# Altium PCB VOU_SOM_CV_V0.0.1.PcbDoc (part 4 of 4) (continued)
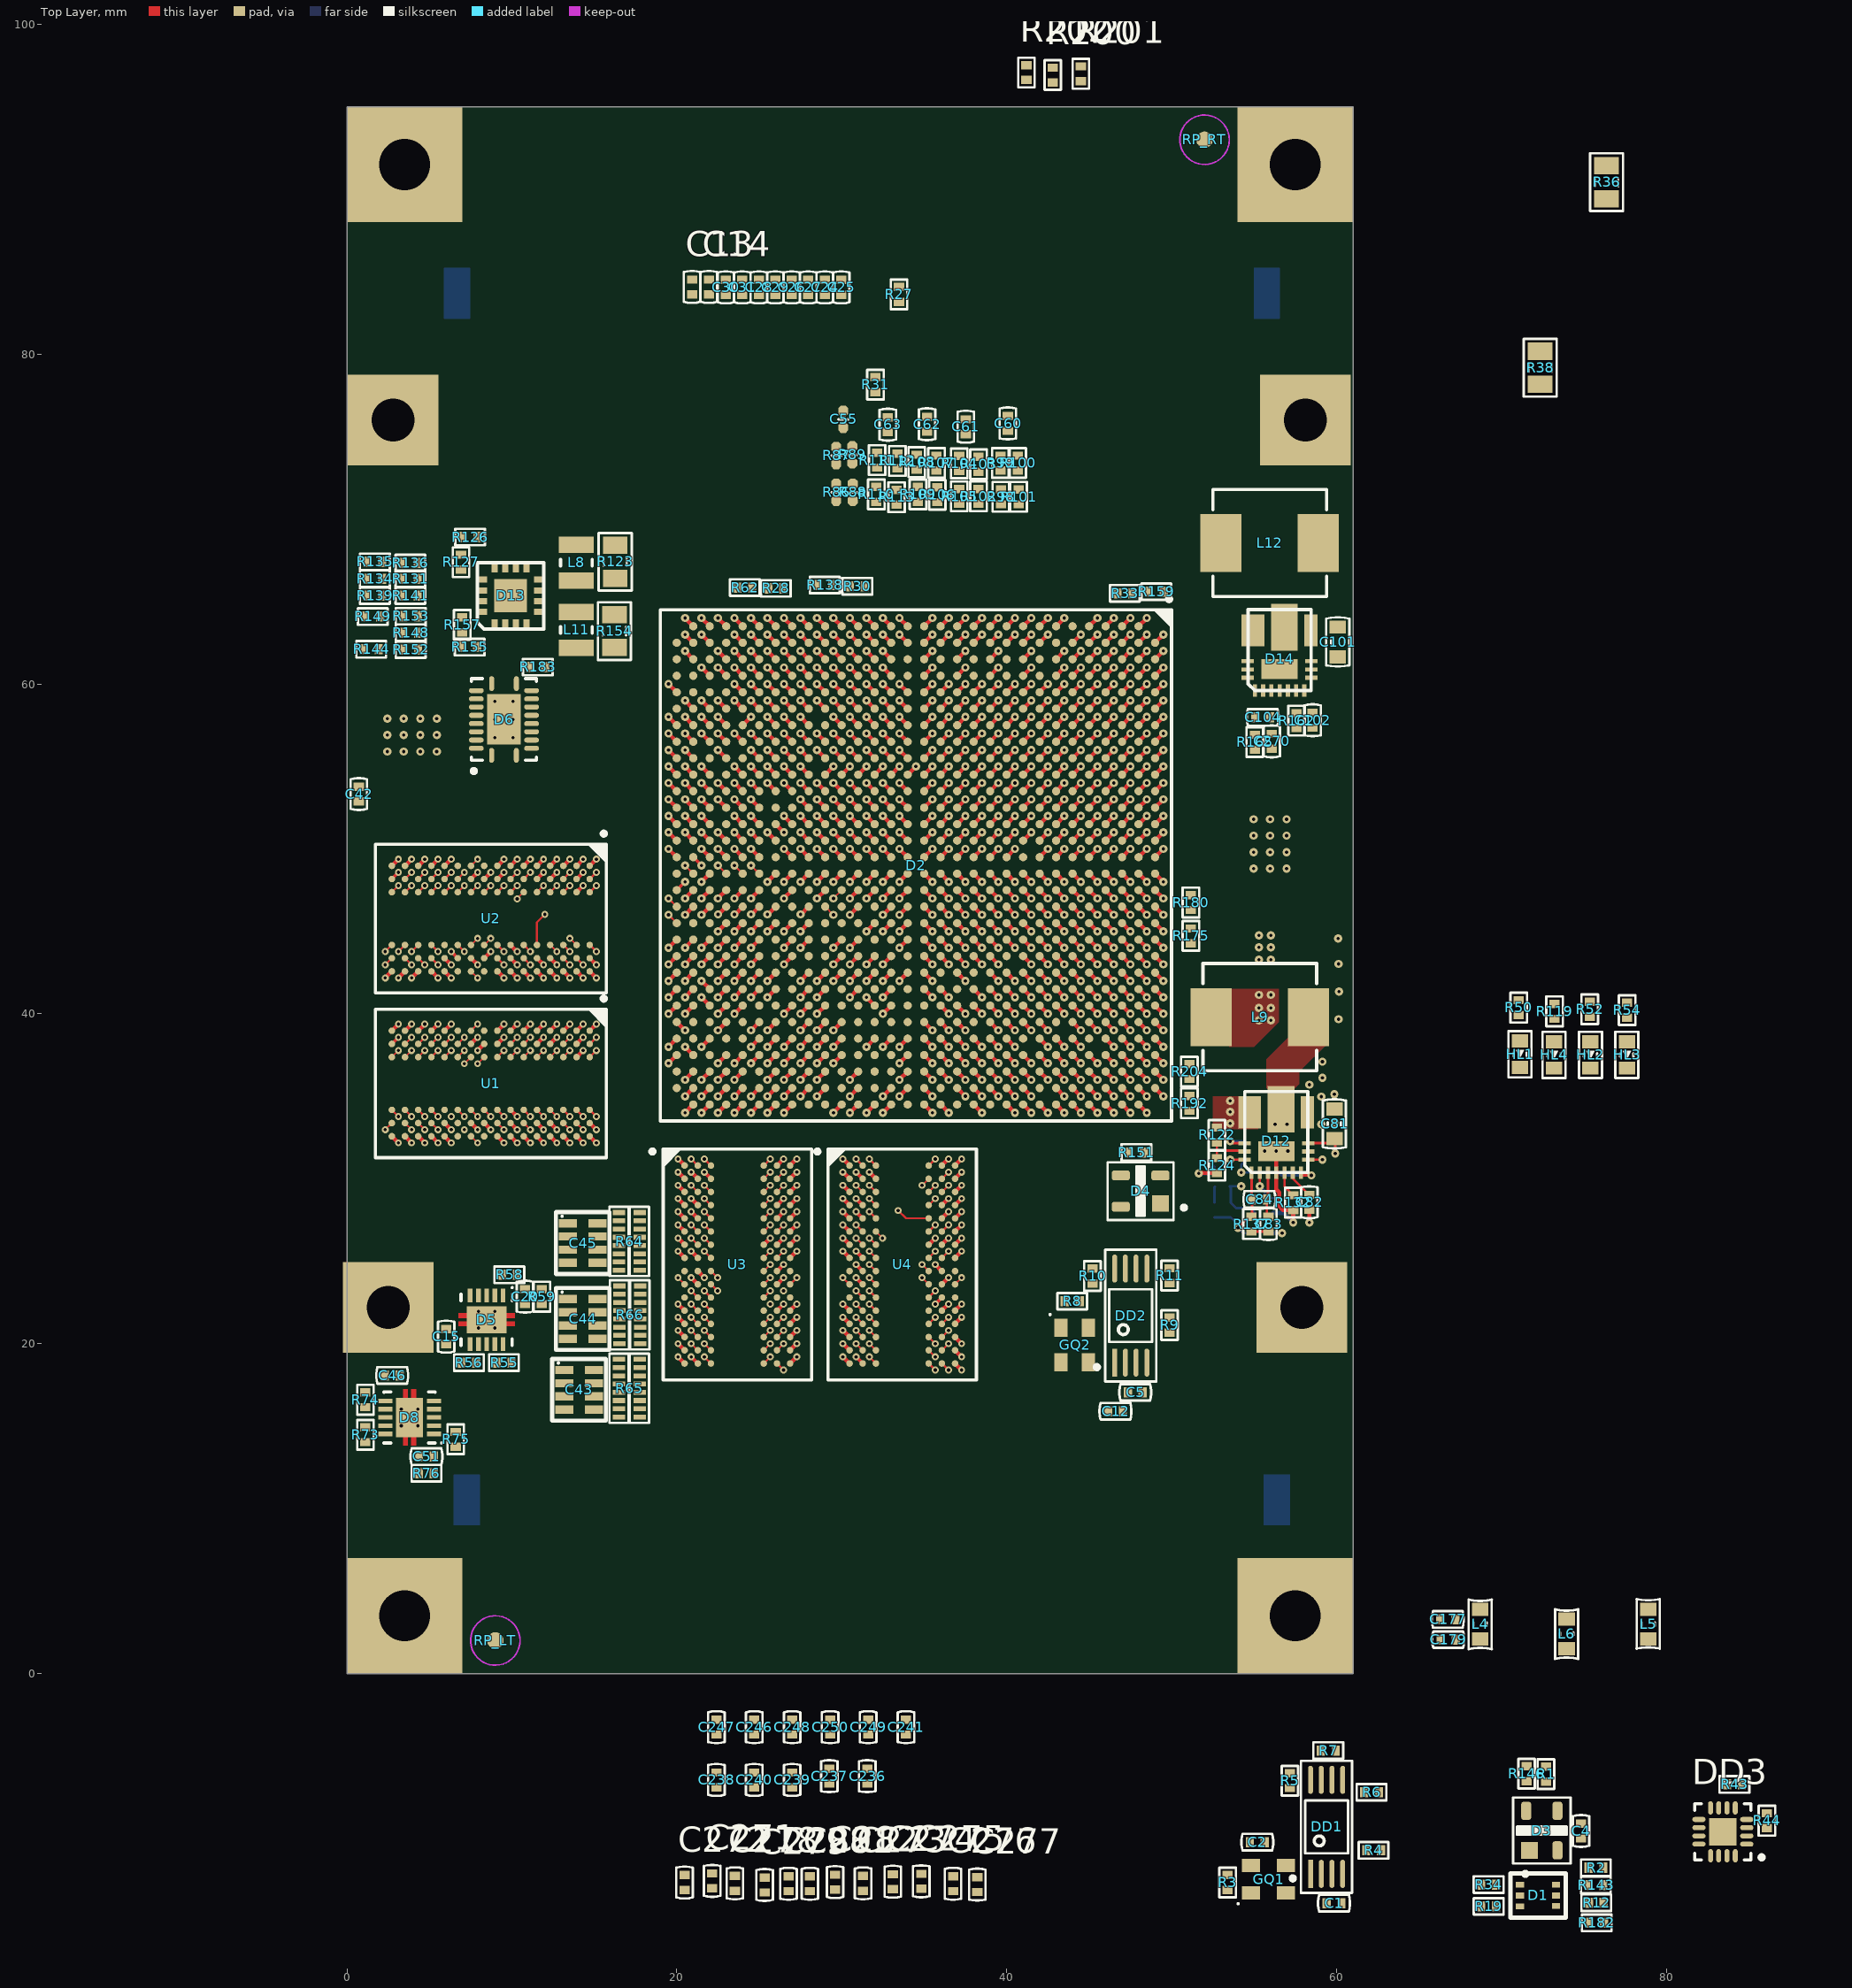
[diagram p0: Top Layer view]
## Nets (pads, with @x,y where several pads share a name; then routed paths per layer and width w, separated by ;. In a path a pad name is that pad's centre, name@x,y a point inside that pad or via, vN(x,y) a via of type N, cw(c..) or ccw(c..) an arc to the next point about the centre after c; other vN are vias at no path point) (continued)
NetC82_2: C82.2 D12.6 | length 1.8
  Top Layer w0.15: D12.6@57.35,30.375 57.35,30.025 C82.2@58.35,29.025
NetC83_1: C83.1 C84.2 D12.3 | length 2.4
  Top Layer w0.15: C84.2@55.85,28.825 C84.2@55.775,28.75 55.775,27.85 C83.1@55.875,27.75 ; 55.85,29.075 D12.3@55.85,30.375
NetC83_2: C83.2 R137.2 | length 1
  Top Layer w0.15: R137.2@54.85,26.8 C83.2@55.875,26.8
NetC84_1: C84.1 D12.1 R130.1 R133.2 R137.1 R140.2 | length 6.8
  Top Layer w0.15: v1(54.025,27.025) 54.7,27.7 R137.1@54.85,27.7 54.875,27.725 C84.1@54.875,28.75 54.85,28.775 D12.1@54.85,30.375
  Bottom Layer w0.15: R133.2@52.6,27.65 R130.1@53.6,27.65 54.025,27.225 v1(54.025,27.025) 54.35,26.7 R140.2@55.05,26.7
NetC91_1: C91.1 C92.1 L11.2 R154.1 R155.2
NetC93_1: C93.1 D14.14
NetC93_2: C93.2 D14.12 L12.1 R145.1
NetC97_1: C97.1 C98.1 C269.2 L12.2 R156.1 R158.1 R160.2 R161.2
NetC101_2: C101.2 D14.10 D14.16
NetC102_2: C102.2 D14.6
NetC104_1: C104.1 D14.1 R161.1 R164.2 R165.1 R166.2
NetC104_2: C104.2 C270.1 D14.3
NetC267_1: C267.1 D12.14 | length 2
  Top Layer w0.15: v1(53.55,32.275) 53.67,32.155 D12.14@54.425,32.155
  Bottom Layer w0.15: v1(53.55,32.275) 54.25,32.275 C267.1@54.5,32.025
NetC267_2: C267.2 D12.12 L9.1 R129.1 | length 2.2
  Bottom Layer w0.15: C267.2@54.5,31.125 54.225,30.85 v1(54.225,30.375) R129.1@55.575,30.375
  other v1: 56.275,33.3 57,33.3
NetC269_1: C269.1 R164.1
NetC270_2: C270.2 R165.2
NetD1_3: D1.3 D3.2 R2.2 R12.1 R143.1
NetD1_4: D1.4 R34.1
NetD1_6: D1.6 R19.1
NetD2_A28: D2.A28 R204.2 | length 0.7
  Top Layer w0.25: D2.A28@49,36.5 v1(49.5,36)
NetD2_AA1: D2.AA1 D2.AA2 R138.2 | length 1.4
  Top Layer w0.25: v1(28.5,63) D2.AA2@29,62.5 ; v1(28.5,64) D2.AA1@29,63.5
NetD2_AC1: D2.AC1 D2.AC2 R28.2 | length 1.4
  Top Layer w0.25: v1(26.5,63) D2.AC2@27,62.5 ; v1(26.5,64) D2.AC1@27,63.5
NetD2_AE1: D2.AE1 D2.AE2 R62.2 | length 1.4
  Top Layer w0.25: v1(24.5,63) D2.AE2@25,62.5 ; v1(24.5,64) D2.AE1@25,63.5
NetD2_AG17: D2.AG17 R57.1 | length 0.7
  Top Layer w0.25: v1(22.5,47) D2.AG17@23,47.5
NetD2_D27: D2.D27 R69.2 | length 0.7
  Top Layer w0.25: D2.D27@46,37.5 v1(46.5,37)
NetD2_F3: D2.F3 R178.1 | length 0.7
  Top Layer w0.25: D2.F3@44,61.5 v1(44.5,62)
NetD2_F4: D2.F4 R120.1 | length 0.7
  Top Layer w0.25: D2.F4@44,60.5 v1(44.5,61)
NetD2_F23: D2.F23 R12.2 | length 0.7
  Top Layer w0.25: D2.F23@44,41.5 v1(44.5,41)
NetD2_F24: D2.F24 R77.2 | length 0.7
  Top Layer w0.25: D2.F24@44,40.5 v1(44.5,40)
NetD2_G1: D2.G1 R159.1 | length 0.7
  Top Layer w0.25: D2.G1@43,63.5 v1(43.5,64)
NetD2_J1: D2.J1 D2.J2 R33.2 | length 1.4
  Top Layer w0.25: D2.J2@41,62.5 v1(41.5,63) ; D2.J1@41,63.5 v1(41.5,64)
NetD2_J5: D2.J5 R181.1 | length 0.7
  Top Layer w0.25: D2.J5@41,59.5 v1(41.5,60)
NetD2_P8: D2.P8 D2.P9 R32.2 | length 1.4
  Top Layer w0.25: D2.P9@36,55.5 v1(36.5,56) ; D2.P8@36,56.5 v1(36.5,57)
NetD2_W1: D2.W1 D2.W2 R30.2 | length 1.4
  Top Layer w0.25: v1(30.5,63) D2.W2@31,62.5 ; v1(30.5,64) D2.W1@31,63.5
NetD3_4: D3.4 R146.2
NetD4_2: D4.2 R18.2 R151.1
NetD4_4: D4.4 R147.2
NetD5_7: D5.7 R56.2
NetD5_9: D5.9 R55.2
NetD6_10: D6.10 R183.2
NetD7_6: D7.6 R191.1
NetD8_7: D8.7 R74.2
NetD8_9: D8.9 R73.2
NetD9_6: D9.6 R194.1
NetD12_2: D12.2 R128.1 R142.2 | length 2.6
  Top Layer w0.15: v1@55.35,29.625 D12.2@55.35,30.375
  Bottom Layer w0.15: R128.1@55.1,28.825 55.65,28.825 ; v1(55.35,29.55) 55.65,29.25 55.65,28.825 ; R142.2@56.15,28.825 55.65,28.825
NetD12_5: D12.5 R132.1 | length 1.6
  Top Layer w0.15: D12.5@56.85,30.375 56.85,29.525 R132.1@57.375,29
NetD12_7: D12.7 R129.2 | length 2.9
  Top Layer w0.15: D12.7@57.85,30.375 57.85,30.2 v1(58.475,30.2)
  Bottom Layer w0.15: R129.2@56.475,30.375 56.65,30.2 v1(58.475,30.2)
NetD12_15: D12.15 R122.2 R124.2 | length 2.6
  Top Layer w0.15: R124.2@52.75,31.25 52.75,31.7 ; R122.2@52.75,32.2 52.75,31.7 ; D12.15@54.425,31.655 54.38,31.7 52.75,31.7
NetD13_5: D13.5 D13.6 L11.1
NetD13_7: D13.7 L8.1
NetD13_12: D13.12 R126.1 R127.2
NetD13_16: D13.16 R155.1 R157.2
NetD14_2: D14.2 R160.1 R167.2
NetD14_5: D14.5 R162.1
NetD14_7: D14.7 R145.2
NetDD1_1: DD1.1 GQ1.3
NetDD1_3: DD1.3 R4.1
NetDD1_5: DD1.5 R6.1
NetDD1_7: DD1.7 R7.1
NetDD1_8: DD1.8 R5.1
NetDD2_1: DD2.1 GQ2.3
NetDD2_3: DD2.3 R9.1
NetDD2_5: DD2.5 R11.1
NetDD2_8: DD2.8 R10.1
NetDD3_2: DD3.2 R45.2
NetDD3_3: DD3.3 R44.2
NetDD3_6: DD3.6 R43.2
NetGQ1_1: GQ1.1 R3.2
NetGQ2_1: GQ2.1 R8.2
NetHL1_1: HL1.1 R50.1
NetHL2_1: HL2.1 R52.1
NetHL3_1: HL3.1 R54.1
NetHL4_1: HL4.1 R119.1
NetR7_2: R7.2 X1.103
NetR11_2: R11.2 X1.99
NetR13_1: R13.1 R147.1 X1.50
NetR27_2: R27.2 X2.81
NetR31_1: R31.1 X2.82
NetR47_1: R47.1 U1.L8
  other v2: 7.125,32.975
NetR48_1: R48.1 U2.L8 | length 0.6
  Top Layer w0.2: v2(6.325,43.775) U2.L8@6.725,43.375
NetR68_1: R68.1 U3.L8
  other v2: 26.475,23.2
NetR70_1: R70.1 U4.L8 | length 0.6
  Top Layer w0.2: v2(35.675,22.4) U4.L8@36.075,22.8
NetR131_1: R131.1 R134.2 R135.1 R136.1 R139.2 R141.1
NetR144_1: R144.1 R148.1 R149.2 R152.2 R153.2
NetR200_1: R200.1 X2.2
NetR201_2: R201.2 X2.85
NetR202_1: R202.1 X2.168
OSC_50_B3B: D2.AF14 R4.2 | length 0.7
  Top Layer w0.25: v1(23.5,51) D2.AF14@24,50.5
OSC_50_B4B: D2.AA16 R5.2 | length 0.7
  Top Layer w0.25: v1(28.5,48) D2.AA16@29,48.5
OSC_50_B5A5B: D2.Y26 R6.2 | length 0.7
  Top Layer w0.25: v1(29.5,38) D2.Y26@30,38.5
PR_DONE: D2.AF5 R37.2 | length 0.7
  Top Layer w0.25: v1(23.5,60) D2.AF5@24,59.5
PR_ERR: D2.AF4 R35.2 | length 0.7
  Top Layer w0.25: v1(23.5,61) D2.AF4@24,60.5
PR_RDY: D2.AG8 R39.2 | length 0.7
  Top Layer w0.25: v1(22.5,57) D2.AG8@23,56.5
RGMI_MDC: D2.B21 R15.16 | length 0.7
  Top Layer w0.25: D2.B21@48,43.5 v1(48.5,43)
RGMI_MDC_R: R15.1 X1.137
RGMI_MDIO: D2.E21 R15.15 | length 0.7
  Top Layer w0.25: D2.E21@45,43.5 v1(45.5,43)
RGMI_MDIO_R: R15.2 X1.135
RGMI_RX_CLK: D2.G20 R17.9 | length 0.7
  Top Layer w0.25: D2.G20@43,44.5 v1(43.5,44)
RGMI_RX_CLK_R: R17.8 X1.139
RGMI_RX_CTL: D2.K17 R17.10 | length 0.7
  Top Layer w0.25: D2.K17@40,47.5 v1(40.5,47)
RGMI_RX_CTL_R: R17.7 X1.141
RGMI_RXD0: D2.A21 R17.11 | length 0.7
  Top Layer w0.25: D2.A21@49,43.5 v1(49.5,43)
RGMI_RXD0_R: R17.6 X1.143
RGMI_RXD1: D2.B20 R17.12 | length 0.7
  Top Layer w0.25: D2.B20@48,44.5 v1(48.5,44)
RGMI_RXD1_R: R17.5 X1.145
RGMI_RXD2: D2.B18 R17.13 | length 0.7
  Top Layer w0.25: D2.B18@48,46.5 v1(48.5,46)
RGMI_RXD2_R: R17.4 X1.147
RGMI_RXD3: D2.D21 R17.14 | length 0.7
  Top Layer w0.25: D2.D21@46,43.5 v1(46.5,43)
RGMI_RXD3_R: R17.3 X1.149
RGMI_TX_CLK: D2.H19 R15.9 | length 0.7
  Top Layer w0.25: D2.H19@42,45.5 v1(42.5,45)
RGMI_TX_CLK_R: R15.8 X1.123
RGMI_TX_CTL: D2.A20 R15.10 | length 0.7
  Top Layer w0.25: D2.A20@49,44.5 v1(49.5,44)
RGMI_TX_CTL_R: R15.7 X1.125
RGMI_TXD0: D2.F20 R15.11 | length 0.7
  Top Layer w0.25: D2.F20@44,44.5 v1(44.5,44)
RGMI_TXD0_R: R15.6 X1.127
RGMI_TXD1: D2.J19 R15.12 | length 0.7
  Top Layer w0.25: D2.J19@41,45.5 v1(41.5,45)
RGMI_TXD1_R: R15.5 X1.129
RGMI_TXD2: D2.F21 R15.13 | length 0.7
  Top Layer w0.25: D2.F21@44,43.5 v1(44.5,43)
RGMI_TXD2_R: R15.4 X1.131
RGMI_TXD3: D2.F19 R15.14 | length 0.7
  Top Layer w0.25: D2.F19@44,45.5 v1(44.5,45)
RGMI_TXD3_R: R15.3 X1.133
TCK: D2.AC5 X1.100 | length 0.7
  Top Layer w0.25: v1(26.5,60) D2.AC5@27,59.5
TDI: D2.U8 R177.2 X1.104 | length 0.7
  Top Layer w0.25: v1(32.5,57) D2.U8@33,56.5
TDO: D2.AB9 X1.102 | length 0.7
  Top Layer w0.25: v1(27.5,56) D2.AB9@28,55.5
TMS: D2.V9 R176.2 X1.98 | length 0.7
  Top Layer w0.25: v1(31.5,56) D2.V9@32,55.5
VCC1P1: C94.1 C99.1 C100.1 C113.2 C114.2 C115.2 C116.2 C117.2 C118.2 C119.2 C120.2 C127.2 C128.2 C129.2 C130.2 C131.2 C132.2 C133.2 C134.2 C146.2 C147.2 C148.2 C149.2 C150.2 C151.2 C152.2 C153.2 C168.1 C169.1 C170.1 C171.1 C172.1 C173.1 C174.1 C180.1 C181.1 C182.1 C183.1 C184.1 C185.1 C186.1 C187.1 C189.1 C190.1 C191.1 C192.1 C193.1 C199.2 C200.2 C201.2 C202.1 C203.1 C204.1 C205.1 C210.2 C211.2 C212.2 C213.2 C214.2 C215.2 C216.2 D2.L16 D2.L18 D2.L20 D2.M9 D2.M11 D2.M13 D2.M15 D2.N10 D2.N12 D2.N14 D2.N20 D2.P11 D2.P13 D2.P15 D2.P17 D2.P19 D2.R10 D2.R12 D2.R14 D2.R16 D2.T11 D2.T13 D2.T17 D2.T19 D2.U10 D2.U12 D2.U14 D2.U16 D2.U18 D2.U21 D2.V11 D2.V13 D2.V15 D2.W10 D2.W12 D2.W14 D2.Y9 D2.Y11 D2.Y13 L2.2 R156.2 R158.2 | length 27.6
  Top Layer w0.25: v1(29.5,52) D2.Y13@30,51.5 ; v1(29.5,54) D2.Y11@30,53.5 ; v1(29.5,56) D2.Y9@30,55.5 ; v1(30.5,51) D2.W14@31,50.5 ; v1(30.5,53) D2.W12@31,52.5 ; D2.W10@31,54.5 v1(31.5,55) ; v1(31.5,50) D2.V15@32,49.5 ; v1(31.5,52) D2.V13@32,51.5 ; v1(31.5,54) D2.V11@32,53.5 ; v1(32.5,43) D2.U21@33,43.5 ; v1(32.5,46) D2.U18@33,46.5 ; v1(32.5,48) D2.U16@33,48.5 ; v1(32.5,51) D2.U14@33,50.5 ; v1(32.5,53) D2.U12@33,52.5 ; D2.U10@33,54.5 v1(33.5,55) ; v1(33.5,45) D2.T19@34,45.5 ; v1(33.5,47) D2.T17@34,47.5 ; v1(33.5,52) D2.T13@34,51.5 ; v1(33.5,54) D2.T11@34,53.5 ; D2.R16@35,48.5 v1(35.5,48) ; D2.R14@35,50.5 v1(35.5,51) ; D2.R12@35,52.5 v1(35.5,53) ; D2.R10@35,54.5 v1(35.5,55) ; D2.P19@36,45.5 v1(36.5,45) ; D2.P17@36,47.5 v1(36.5,47) ; D2.P15@36,49.5 v1(36.5,50) ; D2.P13@36,51.5 v1(36.5,52) ; D2.P11@36,53.5 v1(36.5,54) ; D2.N20@37,44.5 v1(37.5,44) ; D2.N14@37,50.5 v1(37.5,51) ; D2.N12@37,52.5 v1(37.5,53) ; D2.N10@37,54.5 v1(37.5,55) ; D2.M15@38,49.5 v1(38.5,50) ; D2.M13@38,51.5 v1(38.5,52) ; D2.M11@38,53.5 v1(38.5,54) ; D2.M9@38,55.5 v1(38.5,56) ; D2.L20@39,44.5 v1(39.5,44) ; D2.L18@39,46.5 v1(39.5,46) ; D2.L16@39,48.5 v1(39.5,48)
VCC1P5_DDR3: C19.1 C50.1 C107.2 C108.2 C109.2 C110.2 C111.2 C175.1 C194.2 C195.2 C196.2 C197.2 C198.2 C220.2 C221.2 C222.2 C223.2 C224.2 C225.2 C227.1 C228.1 C229.2 C230.2 C231.2 C236.2 C237.2 C238.2 C239.2 C240.2 C241.2 C246.1 C247.1 C248.2 C249.2 C250.2 C271.2 C272.2 C273.1 C274.1 C275.1 C276.1 C277.1 C278.1 C279.1 C280.1 C281.1 C282.1 D2.AA17 D2.AB14 D2.AC21 D2.AD13 D2.AD18 D2.AE15 D2.AE25 D2.AF22 D2.AG19 D2.AH16 D2.AH26 D2.AJ8 D2.AJ13 D2.AJ23 D2.AK10 D2.AK20 D2.D28 D2.G29 D2.H26 D2.K24 D2.K30 D2.L27 D2.M24 D2.N21 D2.P23 D2.P28 D2.R25 D2.T22 D2.U19 D2.V26 D5.2 D8.2 R49.1 R58.1 R71.1 R75.1 R154.2 U1.A1 U1.A8 U1.B2 U1.C1 U1.C9 U1.D2 U1.D9 U1.E9 U1.F1 U1.G7 U1.H2 U1.H9 U1.K2 U1.K8 U1.N1 U1.N9 U1.R1 U1.R9 U2.A1 U2.A8 U2.B2 U2.C1 U2.C9 U2.D2 U2.D9 U2.E9 U2.F1 U2.G7 U2.H2 U2.H9 U2.K2 U2.K8 U2.N1 U2.N9 U2.R1 U2.R9 U3.A1 U3.A8 U3.B2 U3.C1 U3.C9 U3.D2 U3.D9 U3.E9 U3.F1 U3.G7 U3.H2 U3.H9 U3.K2 U3.K8 U3.N1 U3.N9 U3.R1 U3.R9 U4.A1 U4.A8 U4.B2 U4.C1 U4.C9 U4.D2 U4.D9 U4.E9 U4.F1 U4.G7 U4.H2 U4.H9 U4.K2 U4.K8 U4.N1 U4.N9 U4.R1 U4.R9 | length 61.9
  Top Layer w0.25: v2(3.125,42.175) U2.R9@3.525,42.575 ; U1.R9@3.525,32.575 v2(3.925,32.175) ; U1.R1@3.525,38.975 v2(3.925,39.375) ; U2.R1@3.525,48.975 v2(3.925,49.375) ; U1.N9@5.125,32.575 v2(5.525,32.175) ; U1.N1@5.125,38.975 v2(5.525,39.375) ; U2.N9@5.125,42.575 v2(5.525,42.175) ; U2.N1@5.125,48.975 v2(5.525,49.375) ; U1.K8@7.525,33.375 v2(7.925,32.975) ; U1.K2@7.525,38.175 v2(7.925,38.575) ; U2.K8@7.525,43.375 v2(7.925,42.975) ; U2.K2@7.525,48.175 v2(7.925,48.575) ; U1.H9@9.125,32.575 v2(9.525,32.175) ; U1.H2@9.125,38.175 v2(9.525,38.575) ; U2.H9@9.125,42.575 v2(9.525,42.175) ; U2.H2@9.125,48.175 v2(9.525,48.575) ; U1.G7@9.925,34.175 v2(10.325,33.775) ; U2.G7@9.925,44.175 v2(10.325,43.775) ; U1.F1@10.725,38.975 v2(11.125,39.375) ; U2.F1@10.725,48.975 v2(11.125,49.375) ; U1.E9@11.525,32.575 v2(11.925,32.175) ; U2.E9@11.525,42.575 v2(11.925,42.175) ; U1.D9@12.325,32.575 v2(12.725,32.175) ; U1.D2@12.325,38.175 v2(12.725,38.575) ; U2.D9@12.325,42.575 v2(12.725,42.175) ; U2.D2@12.325,48.175 v2(12.725,48.575) ; U1.C9@13.125,32.575 v2(13.525,32.175) ; U1.C1@13.125,38.975 v2(13.525,39.375) ; U2.C9@13.125,42.575 v2(13.525,42.175) ; U2.C1@13.125,48.975 v2(13.525,49.375) ; U1.B2@13.925,38.175 v2(14.325,38.575) ; U2.B2@13.925,48.175 v2(14.325,48.575) ; U1.A8@14.725,33.375 v2(15.125,32.975) ; U1.A1@14.725,38.975 v2(15.125,39.375) ; U2.A8@14.725,43.375 v2(15.125,42.975) ; U2.A1@14.725,48.975 v2(15.125,49.375) ; v1(19.5,44) D2.AK20@20,44.5 ; v1(19.5,55) D2.AK10@20,54.5 ; v2(20.075,20) U3.R1@20.475,19.6 ; v2(20.075,21.6) U3.N1@20.475,21.2 ; v2(20.075,27.2) U3.F1@20.475,26.8 ; v2(20.075,29.6) U3.C1@20.475,29.2 ; v2(20.075,31.2) U3.A1@20.475,30.8 ; v1(20.5,41) D2.AJ23@21,41.5 ; v1(20.5,52) D2.AJ13@21,51.5 ; v1(20.5,57) D2.AJ8@21,56.5 ; v2(20.875,24) U3.K2@21.275,23.6 ; v2(20.875,25.6) U3.H2@21.275,25.2 ; v2(20.875,28.8) U3.D2@21.275,28.4 ; v2(20.875,30.4) U3.B2@21.275,30 ; v1(21.5,38) D2.AH26@22,38.5 ; v1(21.5,48) D2.AH16@22,48.5 ; v1(22.5,45) D2.AG19@23,45.5 ; v1(23.5,42) D2.AF22@24,42.5 ; v1(24.5,39) D2.AE25@25,39.5 ; v1(24.5,50) D2.AE15@25,49.5 ; U3.G7@25.275,26 v2(25.675,26.4) ; v1(25.501,46.027) 25.527,46.027 D2.AD18@26,46.5 ; D2.AD13@26,51.5 v1(26.5,51) ; U3.K8@26.075,23.6 v2(26.475,24) ; U3.A8@26.075,30.8 v2(26.475,31.2) ; v1(26.5,43) D2.AC21@27,43.5 ; U3.R9@26.875,19.6 v2(27.275,20) ; U3.N9@26.875,21.2 v2(27.275,21.6) ; U3.H9@26.875,25.2 v2(27.275,25.6) ; U3.E9@26.875,27.6 v2(27.275,28) ; U3.D9@26.875,28.4 v2(27.275,28.8) ; U3.C9@26.875,29.2 v2(27.275,29.6) ; v1(27.5,51) D2.AB14@28,50.5 ; v1(28.5,47) D2.AA17@29,47.5 ; v2(30.075,20) U4.R1@30.475,19.6 ; v2(30.075,21.6) U4.N1@30.475,21.2 ; v2(30.075,27.2) U4.F1@30.475,26.8 ; v2(30.075,29.6) U4.C1@30.475,29.2 ; v2(30.075,31.2) U4.A1@30.475,30.8 ; v2(30.875,24) U4.K2@31.275,23.6 ; v2(30.875,25.6) U4.H2@31.275,25.2 ; v2(30.875,28.8) U4.D2@31.275,28.4 ; v2(30.875,30.4) U4.B2@31.275,30 ; v1(31.5,38) D2.V26@32,38.5 ; v1(32.5,45) D2.U19@33,45.5 ; v1(33.5,42) D2.T22@34,42.5 ; D2.R25@35,39.5 v1(35.5,39) ; U4.G7@35.275,26 v2(35.675,26.4) ; D2.P28@36,36.5 v1(36.5,36) ; D2.P23@36,41.5 v1(36.5,41) ; U4.K8@36.075,23.6 v2(36.475,24) ; U4.A8@36.075,30.8 v2(36.475,31.2) ; U4.R9@36.875,19.6 v2(37.275,19.2) ; U4.N9@36.875,21.2 v2(37.275,21.6) ; U4.H9@36.875,25.2 v2(37.275,25.6) ; U4.E9@36.875,27.6 v2(37.275,28) ; U4.D9@36.875,28.4 v2(37.275,28.8) ; U4.C9@36.875,29.2 v2(37.275,29.6) ; D2.N21@37,43.5 v1(37.5,43) ; D2.M24@38,40.5 v1(38.5,40) ; D2.L27@39,37.5 v1(39.5,37) ; D2.K30@40,34.5 v1(40.5,34) ; D2.K24@40,40.5 v1(40.5,40) ; D2.H26@42,38.5 v1(42.5,38) ; D2.G29@43,35.5 v1(43.5,35) ; D2.D28@46,36.5 v1(46.5,36)
VCC2P5: C1.1 C2.2 C9.2 C10.2 C34.2 C87.1 C112.1 C121.2 C122.2 C135.2 C136.2 C137.1 C142.2 C143.2 C144.2 C145.2 C154.1 C164.2 C165.2 C166.2 C206.2 C207.2 C259.2 C260.2 C261.2 C262.2 C263.2 C264.2 C265.2 C266.2 D2.A7 D2.AA10 D2.AA27 D2.AB18 D2.AB20 D2.AB24 D2.AC10 D2.AC11 D2.AC13 D2.AC15 D2.AC17 D2.AC19 D2.AD8 D2.AD16 D2.AD28 D2.AE21 D2.AE30 D2.AF7 D2.AG4 D2.AG29 D2.B4 D2.C11 D2.D8 D2.E5 D2.F12 D2.G9 D2.G14 D2.H6 D2.J13 D2.K11 D2.K13 D2.L10 D2.L12 D2.L14 D2.M21 D2.N22 D2.P21 D2.R20 D2.R23 D2.U23 D2.V22 D2.V24 D2.W23 D6.2 DD1.2 DD1.6 DD3.5 GQ1.4 L1.2 L3.2 L4.2 L5.1 L13.2 R3.1 R35.1 R37.1 R38.1 R39.1 R45.1 R50.2 R51.1 R52.2 R54.2 R118.1 R119.2 R120.2 R123.2 R176.1 R177.1 R178.2 R179.2 R181.2 R183.1 R184.2 R185.2 R186.2 R187.2 | length 30.4
  Top Layer w0.25: v1(22.5,35) D2.AG29@23,35.5 ; v1(22.5,61) D2.AG4@23,60.5 ; D2.AF7@24,57.5 v1(24.5,58) ; v1(24.5,34) D2.AE30@25,34.5 ; v1(24.5,43) D2.AE21@25,43.5 ; v1(25.5,36) D2.AD28@26,36.5 ; v1(25.5,48) D2.AD16@26,48.5 ; v1(25.5,57) D2.AD8@26,56.5 ; v1(26.5,45) D2.AC19@27,45.5 ; v1(26.5,47) D2.AC17@27,47.5 ; v1(26.5,50) D2.AC15@27,49.5 ; v1(26.5,52) D2.AC13@27,51.5 ; v1(26.5,54) D2.AC11@27,53.5 ; v1(26.5,55) D2.AC10@27,54.5 ; v1(27.5,40) D2.AB24@28,40.5 ; v1(27.5,44) D2.AB20@28,44.5 ; v1(27.501,46.027) 27.527,46.027 D2.AB18@28,46.5 ; v1(28.5,37) D2.AA27@29,37.5 ; D2.AA10@29,54.5 v1(29.5,55) ; v1(30.5,41) D2.W23@31,41.5 ; v1(31.5,41) D2.V24@32,40.5 ; v1(31.5,42) D2.V22@32,42.5 ; v1(32.5,41) D2.U23@33,41.5 ; D2.R23@35,41.5 v1(35.5,41) ; D2.R20@35,44.5 v1(35.5,44) ; D2.P21@36,43.5 v1(36.5,43) ; D2.N22@37,42.5 v1(37.5,42) ; D2.M21@38,43.5 v1(38.5,43) ; D2.L14@39,50.5 v1(39.5,51) ; D2.L12@39,52.5 v1(39.5,53) ; D2.L10@39,54.5 v1(39.5,55) ; D2.K13@40,51.5 v1(40.5,52) ; D2.K11@40,53.5 v1(40.5,54) ; D2.J13@41,51.5 v1(41.5,52) ; D2.H6@42,58.5 v1(42.5,59) ; D2.G14@43,50.5 v1(43.5,51) ; D2.G9@43,55.5 v1(43.5,56) ; D2.F12@44,52.5 v1(44.5,53) ; D2.E5@45,59.5 v1(45.5,60) ; D2.D8@46,56.5 v1(46.5,57) ; D2.C11@47,53.5 v1(47.5,54) ; D2.B4@48,60.5 v1(48.5,61) ; D2.A7@49,57.5 v1(49.5,58)
VCC2P5_IO: R38.2 X1.87 X1.88 X1.89 X1.90 X1.91 X1.92 X1.93 X1.94 X2.53 X2.54 X2.63 X2.64 X2.73 X2.74
VCC3P3: C3.2 C4.2 C5.1 C11.2 C12.2 C16.1 C35.2 C42.2 C47.1 C52.2 C79.1 C80.1 C88.1 C208.2 C209.2 C217.2 C218.2 C219.2 C226.2 C251.2 C252.2 C253.2 C254.2 C255.2 C256.2 C257.2 C258.2 C268.1 D1.5 D2.AA23 D2.AB10 D2.D18 D2.E15 D2.E20 D2.F22 D2.G19 D2.H16 D2.H21 D2.J11 D2.J17 D2.K16 D2.K18 D2.K19 D3.3 D4.3 D5.10 D6.19 D7.8 D8.10 D9.8 D13.2 D13.3 D13.9 D13.10 DD2.2 DD2.6 GQ2.4 L6.1 R1.2 R2.1 R8.1 R13.2 R18.1 R36.1 R55.1 R56.1 R63.1 R73.1 R74.1 R77.1 R121.2 R125.2 R131.2 R148.2 R174.1 R175.1 R182.2 R192.1 R193.1 R200.2 R201.1 R202.2 R204.1 | length 9.9
  Top Layer w0.25: v1(27.5,55) D2.AB10@28,54.5 ; v1(28.5,41) D2.AA23@29,41.5 ; D2.K19@40,45.5 v1(40.5,45) ; D2.K18@40,46.5 v1(40.5,46) ; D2.K16@40,48.5 v1(40.5,48) ; D2.J17@41,47.5 v1(41.5,47) ; D2.J11@41,53.5 v1(41.5,54) ; D2.H21@42,43.5 v1(42.5,43) ; D2.H16@42,48.5 v1(42.5,48) ; D2.G19@43,45.5 v1(43.5,45) ; D2.F22@44,42.5 v1(44.5,42) ; D2.E20@45,44.5 v1(45.5,44) ; D2.E15@45,49.5 v1(45.5,50) ; D2.D18@46,46.5 v1(46.5,46)
  other v1: 55.3,43.275 56.025,43.275 55.3,44.025 56.025,44.025 55.3,44.75 56.025,44.75
VCC3P3_IO: R36.2 X1.77 X1.78 X1.79 X1.80 X1.81 X1.82 X1.83 X1.84 X2.43
VCC_BAT: C188.1 D2.H9 X1.111 | length 0.7
  Top Layer w0.25: D2.H9@42,55.5 v1(42.5,56)
VCCA_FPLL_2P5: C155.2 C156.2 C157.2 C158.2 C159.2 C160.2 C161.2 C162.1 C163.1 D2.AA8 D2.K9 D2.N7 D2.R7 D2.V8 D2.Y22 L13.1 | length 4.2
  Top Layer w0.25: v1(28.5,57) D2.AA8@29,56.5 ; v1(29.5,42) D2.Y22@30,42.5 ; v1(31.5,57) D2.V8@32,56.5 ; D2.R7@35,57.5 v1(35.5,58) ; D2.N7@37,57.5 v1(37.5,58) ; D2.K9@40,55.5 v1(40.5,56)
VCCAUX_2P5: C138.2 C139.2 C140.2 C141.2 D2.AB11 D2.AB16 D2.AD22 D2.H10 D2.J16 L3.1 | length 3.5
  Top Layer w0.25: v1(25.5,42) D2.AD22@26,42.5 ; v1(27.5,48) D2.AB16@28,48.5 ; v1(27.5,54) D2.AB11@28,53.5 ; D2.J16@41,48.5 v1(41.5,48) ; D2.H10@42,54.5 v1(42.5,55)
VCCAUX_SH_2P5: C176.2 C177.2 C178.2 C179.2 D2.J21 L4.1 | length 0.7
  Top Layer w0.25: D2.J21@41,43.5 v1(41.5,43)
VCCH_GXBL_2P5: C123.2 C124.2 C125.2 C126.2 D2.AB6 D2.P6 D2.V6 L1.1 | length 2.1
  Top Layer w0.25: v1(27.5,59) D2.AB6@28,58.5 ; v1(31.5,59) D2.V6@32,58.5 ; D2.P6@36,58.5 v1(36.5,59)
VCCL_GXBL_1P1: C70.2 C103.2 C105.2 C106.2 D2.AA5 D2.L5 D2.M6 D2.N5 D2.R5 D2.T6 D2.U5 D2.W5 D2.Y6 L2.1 | length 6.4
  Top Layer w0.25: v1(28.5,60) D2.AA5@29,59.5 ; v1(29.5,59) D2.Y6@30,58.5 ; v1(30.5,60) D2.W5@31,59.5 ; v1(32.5,60) D2.U5@33,59.5 ; v1(33.5,59) D2.T6@34,58.5 ; D2.R5@35,59.5 v1(35.5,60) ; D2.N5@37,59.5 v1(37.5,60) ; D2.M6@38,58.5 v1(38.5,59) ; D2.L5@39,59.5 v1(39.5,60)
VCCPLL_HPS_2P5: C232.2 C233.2 C234.2 C235.2 D2.L21 L5.2 | length 0.7
  Top Layer w0.25: D2.L21@39,43.5 v1(39.5,43)
VCCRSTCLK_HPS: C242.2 C243.2 C244.2 C245.2 D2.G23 D2.J20 L6.2 | length 1.4
  Top Layer w0.25: D2.J20@41,44.5 v1(41.5,44) ; D2.G23@43,41.5 v1(43.5,41)
VIN: C68.1 C69.1 C75.1 C76.1 C89.1 C90.1 C95.1 C96.1 D12.13 D14.13 R122.1 X1.1 X1.2 X1.3 X1.4 X1.5 X1.6 X1.7 X1.161 X1.162 X1.163 X1.164 X1.165 X1.166 X1.167 X1.168
  other v1: 53.55,33.35 53.55,34.05 53.55,34.725
pads on no net: D2.A13 D2.AA7 D2.AA19 D2.AA20 D2.AA21 D2.AA30 D2.AB17 D2.AB21 D2.AB30 D2.AC12 D2.AC14 D2.AC18 D2.AC22 D2.AC23 D2.AC25 D2.AD12 D2.AD15 D2.AD17 D2.AD20 D2.AD21 D2.AD24 D2.AE7 D2.AE24 D2.AE28 D2.AF9 D2.AF25 D2.AF26 D2.AG2 D2.AG5 D2.AG10 D2.AG13 D2.AG26 D2.AH3 D2.AH5 D2.AH9 D2.AH19 D2.AH22 D2.AH25 D2.AH27 D2.AJ4 D2.AJ5 D2.AJ19 D2.AJ25 D2.AJ26 D2.AK2 D2.AK3 D2.AK4 D2.AK6 D2.AK16 D2.AK28 D2.AK29 D2.B13 D2.E26 D2.F1 D2.G2 D2.G25 D2.H3 D2.H4 D2.H29 D2.J15 D2.J26 D2.K3 D2.K4 D2.K21 D2.L30 D2.M3 D2.M4 D2.M22 D2.M25 D2.N23 D2.N30 D2.P3 D2.P4 D2.P22 D2.P29 D2.R24 D2.T3 D2.T4 D2.T21 D2.T23 D2.T24 D2.T25 D2.T30 D2.U20 D2.U25 D2.U27 D2.U28 D2.V18 D2.V20 D2.V23 D2.V25 D2.V27 D2.V28 D2.V29 D2.W19 D2.W24 D2.W25 D2.W26 D2.W27 D2.Y18 D2.Y19 D2.Y23 D2.Y24 D2.Y28 D2.Y29 D6.21 D7.9 D9.9 D12.9 D14.9 DD2.7 DD3.8 DD3.11 DD3.12 DD3.15 DD3.16 R22.7 R22.8 R22.9 R22.10 R24.1 R24.2 R24.15 R24.16 RP_BL.0 RP_BR.0 RP_LT.0 RP_RT.0 U1.J1 U1.J9 U1.L1 U1.L9 U1.M7 U2.J1 U2.J9 U2.L1 U2.L9 U2.M7 U3.J1 U3.J9 U3.L1 U3.L9 U3.M7 U4.J1 U4.J9 U4.L1 U4.L9 U4.M7 X1.64 X1.66
copper on no net: | length 1.4
  Top Layer w0.25: 48,51.5 v1(48.5,52) ; 49,51.5 v1(49.5,52)
  other v1: 54.975,48.8 55.975,48.8 56.975,48.8 54.975,49.8 55.975,49.8 56.975,49.8 54.975,50.8 55.975,50.8 56.975,50.8 54.975,51.8 55.975,51.8 56.975,51.8 2.45,55.9 3.45,55.9 4.45,55.9 5.45,55.9 8.975,56.75 10.075,56.75 2.45,56.9 3.45,56.9 4.45,56.9 5.45,56.9 8.975,57.85 10.075,57.85 2.45,57.9 3.45,57.9 4.45,57.9 5.45,57.9 8.975,58.95 10.075,58.95
  other v2: 25.675,22.4 6.325,33.775

## Polygon pours and split planes (outlines as drawn)
VIN on Top Layer "TOP" (solid, pour order 0): 52.5,33 55.25,33 55.25,35 52.5,35
NetC74_2 on Top Layer "TOP" (solid, pour order 8): 53.5,41.5 53.5,38 55,38 56.5,39.5 56.5,41.5
NetC267_2 on Top Layer "TOP" (solid, pour order 10): 57.25,35.25 57.75,35.75 57.75,36.5 59.5,38.25 59.5,38.75 57.25,38.75 55.75,37.25 55.75,35.5 56,35.25
VIN on Bottom Layer "BOT" (solid, pour order 2): 52,32.75 53,32.75 53.25,33 53.75,33 55,34.25 55,35.25 55,38 54.5,38 54.25,38 52.75,36.5 52.75,34 52,33.25
GND_A on Bottom Layer "BOT" (solid, pour order 4): 55.25,32.25 55.25,31 57.75,31 58.25,31.5 58.25,32 57.75,32 57.5,32.25
NetC74_2 on Bottom Layer "BOT" (solid, pour order 6): 51.5,39.25 55.25,39.25 57.5,39.25 57.5,41.75 55.5,41.75 54.5,40.75 51.5,40.75
VCC3P3 on Bottom Layer "BOT" (solid, pour order 12): 51.5,42 55,42 55.5,42.5 57.5,42.5 57.5,45 54.5,45 53.25,43.75 53,43.5 51.5,43.5

## Silkscreen, mask and mechanical layers (free items; w line width, h text height)
Board:
  the board outline again, w0.1

## Text inside footprints (layer, text, board x,y; h text height)
X1: Bottom Overlay "167" at 53.575,6.65 h0.6 r90; Bottom Overlay "2" at 10.725,14.925 h0.6 r90; Bottom Overlay "168" at 53.63,15.745 h0.6 r90
X2: Bottom Overlay "168" at 9.425,78.47 h0.6 r270; Bottom Overlay "2" at 52.33,79.29 h0.6 r270; Bottom Overlay "167" at 9.48,87.565 h0.6 r270